# KiCad board FPGA_dev_board.kicad_pcb (continued)
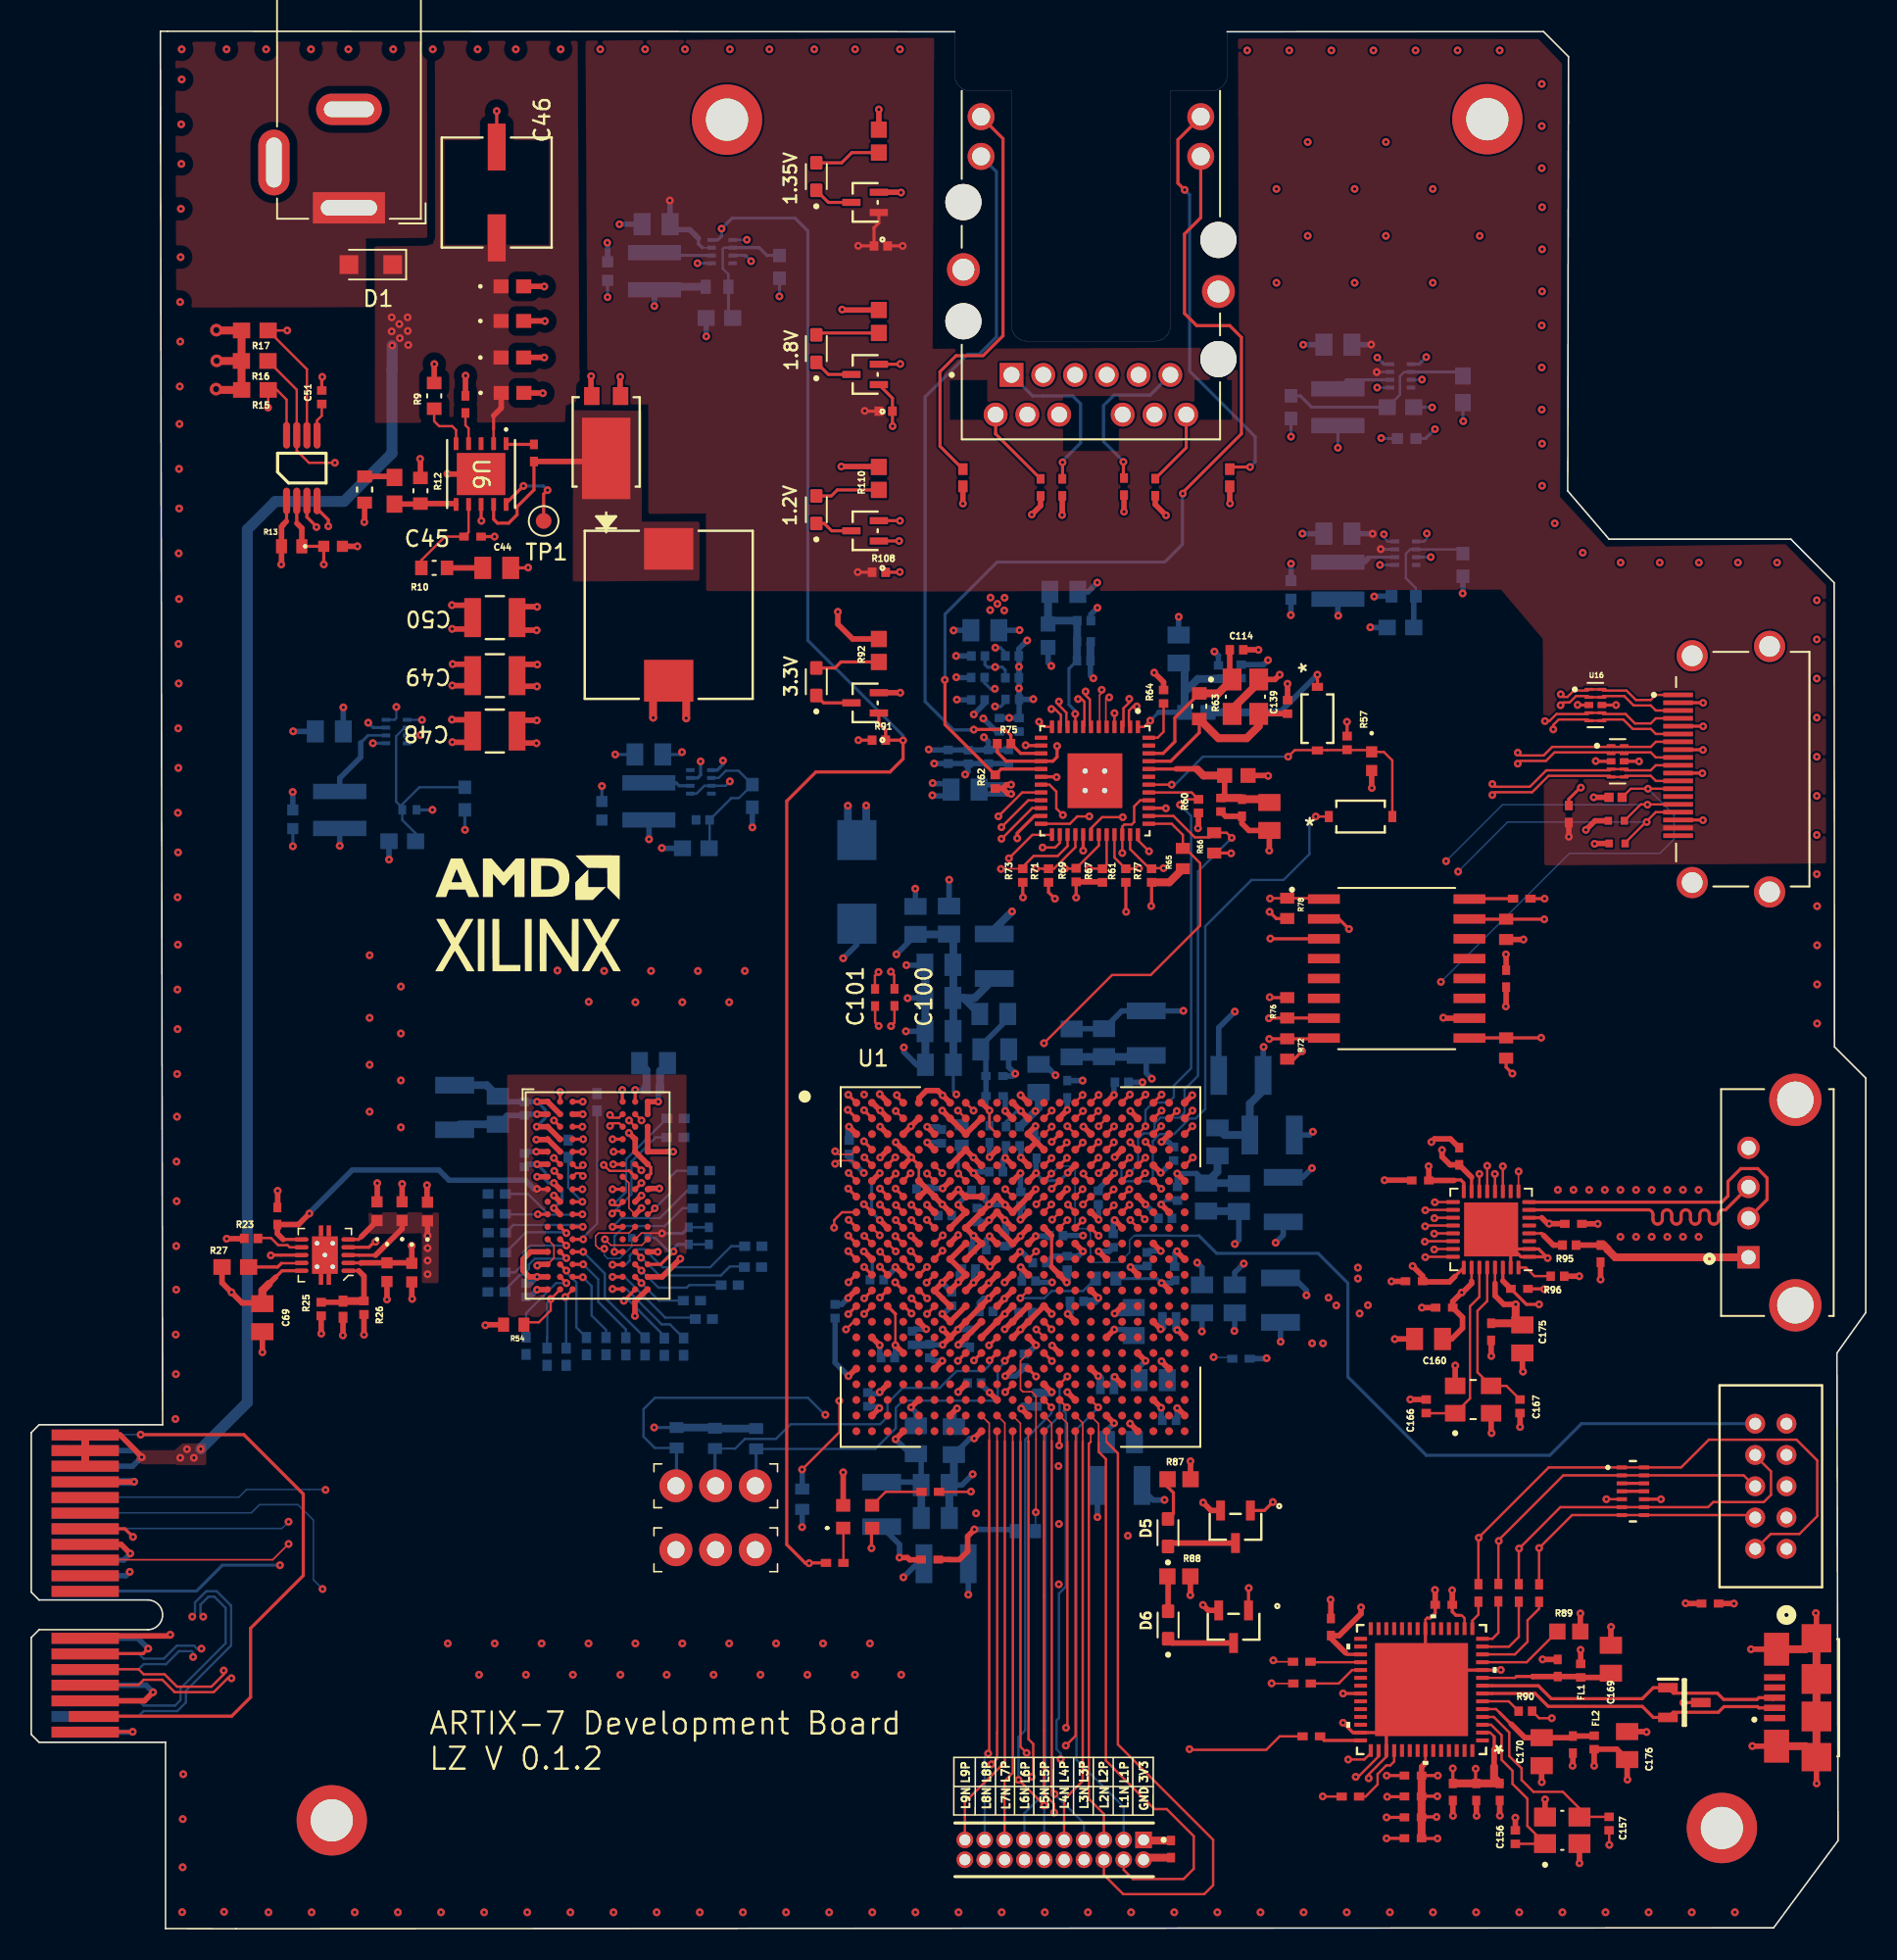
[diagram p0: board, top side]
## Routing (per net, layer and track width the routed paths; a pad name or vN(x,y) marks a point on that pad's centre or on a via; arc(x,y) is an arc through that point) (continued)
  Bottom w0.15: v1(39.03,41.28) 40.14,40.16 R33.2
DDR3_A7: length 27.9
  Top w0.15: v1(52.11,38.32) 52.6,38.81 U1.R1
  Top w0.2: U9.R2 v1(34.22,41.28)
  In2.Cu w0.1: v1(34.22,41.28) 34.27,41.28 34.86,40.69 34.86,39.95 38.91,35.9 48.64,35.9 50.29,37.55 51.34,37.55 v1(52.11,38.32)
  Bottom w0.15: R34.2 31.65,39.36 33.57,41.28 v1(34.22,41.28)
DDR3_A8: length 58.4
  Top w0.2: v1(37.9,40.15) 38.62,40.88 U9.T8 ; 56.78,40.83 v1(57.3,40.31)
  In5.Cu w0.1: v1(57.3,40.31) 57.3,40.31 57.82,39.79 57.82,37.89 57.51,37.58 arc(57.46,37.46) 57.51,37.33 57.97,36.87 arc(58.02,36.75) 57.97,36.63 arc(57.85,36.57) 57.72,36.63 57.26,37.08 arc(57.14,37.14) 57.01,37.08 arc(56.96,36.96) 57.01,36.84 58.08,35.78 arc(58.13,35.65) 58.08,35.53 arc(57.95,35.48) 57.83,35.53 56.77,36.59 arc(56.64,36.64) 56.52,36.59 56.31,36.38 55.65,36.38 arc(55.53,36.33) 55.47,36.2 55.47,35.5 arc(55.42,35.38) 55.3,35.33 arc(55.18,35.38) 55.12,35.5 55.12,36.2 arc(55.07,36.33) 54.95,36.38 arc(54.83,36.33) 54.78,36.2 54.78,35.5 arc(54.72,35.38) 54.6,35.33 arc(54.48,35.38) 54.42,35.5 54.42,36.2 arc(54.37,36.33) 54.25,36.38 54,36.38 52.67,35.05 52.67,33.49 51.16,31.98 40.57,31.98 40.57,32 40.2,32.37 arc(40.15,32.5) 40.2,32.62 40.23,32.65 arc(40.28,32.78) 40.23,32.9 arc(40.11,32.95) 39.98,32.9 39.67,32.59 arc(39.55,32.53) 39.42,32.59 arc(39.37,32.71) 39.42,32.83 39.74,33.15 arc(39.79,33.27) 39.74,33.4 arc(39.61,33.45) 39.49,33.4 39.17,33.08 arc(39.05,33.03) 38.93,33.08 arc(38.88,33.2) 38.93,33.33 39.24,33.64 arc(39.29,33.77) 39.24,33.89 arc(39.12,33.94) 38.99,33.89 38.68,33.58 arc(38.56,33.52) 38.43,33.58 arc(38.38,33.7) 38.43,33.82 38.75,34.14 arc(38.8,34.26) 38.75,34.39 arc(38.62,34.44) 38.5,34.39 38.18,34.07 arc(38.06,34.02) 37.94,34.07 arc(37.89,34.19) 37.94,34.32 38.25,34.63 arc(38.3,34.76) 38.25,34.88 arc(38.13,34.93) 38,34.88 37.97,34.85 arc(37.85,34.8) 37.72,34.85 37.44,35.13 37.44,35.44 arc(37.49,35.56) 37.61,35.62 37.66,35.62 arc(37.79,35.67) 37.84,35.79 arc(37.79,35.91) 37.66,35.97 37.22,35.97 arc(37.09,36.02) 37.04,36.14 arc(37.09,36.26) 37.22,36.31 37.66,36.31 arc(37.79,36.37) 37.84,36.49 arc(37.79,36.61) 37.66,36.66 37.22,36.66 arc(37.09,36.72) 37.04,36.84 arc(37.09,36.96) 37.22,37.01 37.66,37.01 arc(37.79,37.07) 37.84,37.19 arc(37.79,37.31) 37.66,37.37 37.22,37.37 arc(37.09,37.42) 37.04,37.54 arc(37.09,37.66) 37.22,37.72 37.66,37.72 arc(37.79,37.77) 37.84,37.89 arc(37.79,38.01) 37.66,38.06 37.22,38.06 arc(37.09,38.12) 37.04,38.24 arc(37.09,38.36) 37.22,38.41 37.66,38.41 arc(37.79,38.47) 37.84,38.59 arc(37.79,38.71) 37.66,38.76 37.61,38.76 arc(37.49,38.82) 37.44,38.94 37.44,39.69 v1(37.9,40.15)
  Bottom w0.15: R35.2 40.49,37.89 39.04,39.34 39.04,39.36 38.25,40.15 v1(37.9,40.15)
DDR3_A9: length 61
  Top w0.2: 56.77,41.78 v1(57.29,42.31) ; 34.65,41.66 v1(35.28,41.66)
  In5.Cu w0.1: v1(57.29,42.31) 60.36,42.31 60.71,41.96 60.71,39.99 61.82,38.88 61.82,35.41 60.14,33.73 60.14,33.28 59.52,32.65 58.23,32.65 arc(58.09,32.71) 58.03,32.85 58.03,33.18 arc(57.97,33.32) 57.83,33.38 arc(57.69,33.32) 57.63,33.18 57.63,32.85 arc(57.57,32.71) 57.43,32.65 arc(57.29,32.71) 57.23,32.85 57.23,33.18 arc(57.17,33.32) 57.03,33.38 arc(56.89,33.32) 56.83,33.18 56.83,32.85 arc(56.77,32.71) 56.63,32.65 55.87,32.65 55.78,32.56 arc(55.65,32.5) 55.53,32.56 55.24,32.84 arc(55.12,32.89) 55,32.84 arc(54.95,32.71) 55,32.59 55.28,32.31 arc(55.33,32.18) 55.28,32.06 arc(55.16,32.01) 55.03,32.06 54.75,32.34 arc(54.63,32.39) 54.5,32.34 arc(54.45,32.22) 54.5,32.1 54.79,31.81 arc(54.84,31.69) 54.79,31.57 arc(54.66,31.51) 54.54,31.57 54.25,31.85 arc(54.13,31.9) 54.01,31.85 arc(53.96,31.72) 54.01,31.6 54.29,31.32 arc(54.34,31.19) 54.29,31.07 53.75,30.53 38.41,30.53 34.57,34.37 34.57,40.95 v1(35.28,41.66) 35.29,41.64
  Bottom w0.15: R36.2 36.76,38.29 35.84,39.21 35.84,41.09 v1(35.28,41.66)
DDR3_A10: length 68.2
  Top w0.2: U9.L7 v1(37.17,44.88) ; 56.78,42.8 v1(56.25,43.32)
  In5.Cu w0.1: 31.79,45.28 36.46,45.28 36.86,44.88 v1(37.17,44.88) ; 31.79,45.28 31.74,45.28 ; 31.79,45.28 31.24,45.83 31.24,54.63 32.33,55.72 arc(32.36,55.79) 32.33,55.86 arc(32.3,55.93) 32.33,56 32.4,56.07 arc(32.47,56.1) 32.54,56.07 arc(32.61,56.04) 32.68,56.07 32.91,56.07 arc(33.07,56) 33.14,55.84 33.14,55.34 arc(33.2,55.18) 33.36,55.11 arc(33.52,55.18) 33.58,55.34 33.58,55.84 arc(33.65,56) 33.81,56.07 arc(33.97,56) 34.03,55.84 34.03,55.34 arc(34.1,55.18) 34.26,55.11 arc(34.42,55.18) 34.48,55.34 34.48,55.84 arc(34.55,56) 34.71,56.07 arc(34.87,56) 34.94,55.84 34.94,55.34 arc(35,55.18) 35.16,55.11 arc(35.32,55.18) 35.39,55.34 35.39,55.84 arc(35.45,56) 35.61,56.07 arc(35.77,56) 35.83,55.84 35.83,55.34 arc(35.9,55.18) 36.06,55.11 arc(36.22,55.18) 36.28,55.34 36.28,55.84 arc(36.35,56) 36.51,56.07 arc(36.67,56) 36.73,55.84 36.73,55.34 arc(36.8,55.18) 36.96,55.11 arc(37.12,55.18) 37.19,55.34 37.19,55.84 arc(37.25,56) 37.41,56.07 arc(37.57,56) 37.64,55.84 37.64,55.34 arc(37.7,55.18) 37.86,55.11 arc(38.02,55.18) 38.08,55.34 38.08,55.84 arc(38.15,56) 38.31,56.07 51.36,56.07 51.83,55.6 51.83,50.73 51.87,50.69 51.87,48.02 52.09,47.8 52.49,47.8 53.8,46.49 53.8,46.09 54.18,45.71 54.5,45.71 54.69,45.52 54.69,45.13 55.03,44.8 55.42,44.8 55.78,44.44 55.78,43.8 v1(56.25,43.32)
  Bottom w0.15: v1(37.17,44.88) 37.73,45.44 40.21,45.44 42.05,47.28 R37.2
DDR3_A11: length 64.9
  Top w0.2: 52.78,39.82 v1(52.25,39.3) ; U9.R7 v1(37.17,41.68)
  In5.Cu w0.1: v1(37.17,41.68) 37.65,41.68 38.48,42.51 38.83,42.51 38.83,42.5 39.17,42.5 39.17,42.51 39.43,42.51 39.84,42.1 39.84,41.97 arc(39.87,41.9) 39.94,41.87 39.99,41.87 arc(40.06,41.84) 40.09,41.77 arc(40.06,41.7) 39.99,41.67 39.74,41.67 arc(39.67,41.64) 39.64,41.57 arc(39.67,41.5) 39.74,41.47 39.99,41.47 arc(40.06,41.44) 40.09,41.37 arc(40.06,41.3) 39.99,41.27 39.74,41.27 arc(39.67,41.24) 39.64,41.17 arc(39.67,41.1) 39.74,41.07 39.99,41.07 arc(40.06,41.04) 40.09,40.97 arc(40.06,40.9) 39.99,40.87 39.74,40.87 arc(39.67,40.84) 39.64,40.77 arc(39.67,40.7) 39.74,40.67 39.99,40.67 arc(40.06,40.64) 40.09,40.57 arc(40.06,40.5) 39.99,40.47 39.74,40.47 arc(39.67,40.44) 39.64,40.37 arc(39.67,40.3) 39.74,40.27 40.19,40.27 arc(40.26,40.24) 40.29,40.17 arc(40.26,40.1) 40.19,40.07 39.74,40.07 arc(39.67,40.04) 39.64,39.97 arc(39.67,39.9) 39.74,39.87 39.92,39.87 arc(39.97,39.85) 39.99,39.79 39.99,39.75 arc(39.97,39.69) 39.92,39.67 39.74,39.67 arc(39.67,39.64) 39.64,39.57 arc(39.67,39.5) 39.74,39.47 39.94,39.47 arc(40.01,39.44) 40.04,39.37 arc(40.01,39.3) 39.94,39.27 39.74,39.27 arc(39.67,39.24) 39.64,39.17 arc(39.67,39.1) 39.74,39.07 arc(39.81,39.04) 39.84,38.97 39.84,38.74 40.02,38.56 arc(40.09,38.53) 40.16,38.56 40.33,38.74 arc(40.41,38.77) 40.48,38.74 arc(40.51,38.67) 40.48,38.6 39.98,38.1 arc(39.95,38.03) 39.98,37.96 arc(40.05,37.93) 40.12,37.96 40.62,38.46 arc(40.69,38.49) 40.76,38.46 arc(40.79,38.39) 40.76,38.32 40.26,37.82 arc(40.23,37.75) 40.26,37.68 arc(40.33,37.65) 40.41,37.68 40.9,38.17 arc(40.97,38.2) 41.04,38.17 arc(41.07,38.1) 41.04,38.03 40.55,37.54 arc(40.52,37.47) 40.55,37.4 arc(40.62,37.37) 40.69,37.4 41.18,37.89 arc(41.25,37.92) 41.32,37.89 arc(41.35,37.82) 41.32,37.75 40.83,37.26 arc(40.8,37.18) 40.83,37.11 arc(40.9,37.08) 40.97,37.11 41.47,37.61 arc(41.54,37.64) 41.61,37.61 arc(41.64,37.54) 41.61,37.47 41.11,36.97 arc(41.08,36.9) 41.11,36.83 arc(41.18,36.8) 41.25,36.83 41.75,37.33 arc(41.82,37.36) 41.89,37.33 arc(41.92,37.26) 41.89,37.18 41.71,37.01 arc(41.68,36.94) 41.71,36.87 41.81,36.77 42.06,36.77 arc(42.13,36.8) 42.16,36.87 42.16,36.97 arc(42.19,37.04) 42.26,37.07 arc(42.33,37.04) 42.36,36.97 42.36,36.67 arc(42.39,36.6) 42.46,36.57 arc(42.53,36.6) 42.56,36.67 42.56,37.12 arc(42.59,37.19) 42.66,37.22 arc(42.73,37.19) 42.76,37.12 42.76,36.67 arc(42.79,36.6) 42.86,36.57 arc(42.93,36.6) 42.96,36.67 42.96,37.12 arc(42.99,37.19) 43.06,37.22 arc(43.13,37.19) 43.16,37.12 43.16,36.67 arc(43.19,36.6) 43.26,36.57 arc(43.33,36.6) 43.36,36.67 43.36,37.07 arc(43.39,37.14) 43.46,37.17 arc(43.53,37.14) 43.56,37.07 43.56,36.67 arc(43.59,36.6) 43.66,36.57 arc(43.73,36.6) 43.76,36.67 43.76,37.07 arc(43.79,37.14) 43.86,37.17 arc(43.93,37.14) 43.96,37.07 43.96,36.67 arc(43.99,36.6) 44.06,36.57 arc(44.13,36.6) 44.16,36.67 44.16,37.02 arc(44.19,37.09) 44.26,37.12 arc(44.33,37.09) 44.36,37.02 44.36,36.67 arc(44.39,36.6) 44.46,36.57 arc(44.53,36.6) 44.56,36.67 44.56,37.07 arc(44.59,37.14) 44.66,37.17 arc(44.73,37.14) 44.76,37.07 44.76,36.67 arc(44.79,36.6) 44.86,36.57 arc(44.93,36.6) 44.96,36.67 44.96,37.07 arc(44.99,37.14) 45.06,37.17 arc(45.13,37.14) 45.16,37.07 45.16,36.67 arc(45.19,36.6) 45.26,36.57 arc(45.33,36.6) 45.36,36.67 45.36,37.02 arc(45.39,37.09) 45.46,37.12 arc(45.53,37.09) 45.56,37.02 45.56,36.67 arc(45.59,36.6) 45.66,36.57 arc(45.73,36.6) 45.76,36.67 45.76,37.07 arc(45.79,37.14) 45.86,37.17 arc(45.93,37.14) 45.96,37.07 45.96,36.67 arc(45.99,36.6) 46.06,36.57 arc(46.13,36.6) 46.16,36.67 46.16,37.07 arc(46.19,37.14) 46.26,37.17 arc(46.33,37.14) 46.36,37.07 46.36,36.67 arc(46.39,36.6) 46.46,36.57 arc(46.53,36.6) 46.56,36.67 46.56,37.02 arc(46.59,37.09) 46.66,37.12 arc(46.73,37.09) 46.76,37.02 46.76,36.67 arc(46.79,36.6) 46.86,36.57 arc(46.93,36.6) 46.96,36.67 46.96,37.07 arc(46.99,37.14) 47.06,37.17 arc(47.13,37.14) 47.16,37.07 47.16,36.67 arc(47.19,36.6) 47.26,36.57 arc(47.33,36.6) 47.36,36.67 47.36,37.07 arc(47.39,37.14) 47.46,37.17 arc(47.53,37.14) 47.56,37.07 47.56,36.67 arc(47.59,36.6) 47.66,36.57 arc(47.73,36.6) 47.76,36.67 47.76,37.02 arc(47.79,37.09) 47.86,37.12 arc(47.93,37.09) 47.96,37.02 47.96,36.67 arc(47.99,36.6) 48.06,36.57 arc(48.13,36.6) 48.16,36.67 48.16,37.07 arc(48.19,37.14) 48.26,37.17 arc(48.33,37.14) 48.36,37.07 48.36,36.67 arc(48.39,36.6) 48.46,36.57 arc(48.53,36.6) 48.56,36.67 48.56,37.07 arc(48.59,37.14) 48.66,37.17 arc(48.73,37.14) 48.76,37.07 48.76,36.67 arc(48.79,36.6) 48.86,36.57 arc(48.93,36.6) 48.96,36.67 48.96,37.02 arc(48.99,37.09) 49.06,37.12 arc(49.13,37.09) 49.16,37.02 49.16,36.67 arc(49.19,36.6) 49.26,36.57 arc(49.33,36.6) 49.36,36.67 49.36,37.07 arc(49.39,37.14) 49.46,37.17 arc(49.53,37.14) 49.56,37.07 49.56,36.87 arc(49.59,36.8) 49.66,36.77 49.92,36.77 50.1,36.95 arc(50.13,37.02) 50.1,37.09 49.99,37.19 arc(49.96,37.26) 49.99,37.34 arc(50.06,37.36) 50.13,37.34 50.56,36.91 arc(50.63,36.88) 50.7,36.91 arc(50.73,36.98) 50.7,37.05 50.2,37.55 arc(50.17,37.62) 50.2,37.69 arc(50.27,37.72) 50.34,37.69 50.84,37.19 arc(50.91,37.16) 50.98,37.19 arc(51.01,37.26) 50.98,37.34 50.59,37.72 arc(50.56,37.8) 50.59,37.87 arc(50.66,37.9) 50.73,37.87 50.8,37.8 arc(50.87,37.77) 50.95,37.8 52.25,39.1 v1(52.25,39.3)
  Bottom w0.15: v1(37.17,41.68) 37.94,41.68 40.55,39.07 42.38,39.07 R38.2
DDR3_A12: length 61.2
  Top w0.2: U9.N7 v1(37.3,43.28) ; 52.79,41.86 v1(52.27,41.34)
  In5.Cu w0.1: v1(37.3,43.28) 37.87,43.28 38.61,44.02 41.39,44.02 41.5,43.91 arc(41.57,43.88) 41.65,43.92 41.65,43.91 arc(41.72,43.95) 41.8,43.91 41.91,43.81 arc(41.94,43.73) 41.91,43.66 41.72,43.47 arc(41.67,43.35) 41.72,43.24 41.74,43.22 arc(41.85,43.17) 41.97,43.22 42.22,43.47 arc(42.34,43.53) 42.47,43.47 arc(42.52,43.35) 42.47,43.23 41.83,42.59 arc(41.78,42.46) 41.83,42.34 arc(41.95,42.29) 42.08,42.34 43.39,43.65 arc(43.51,43.7) 43.63,43.65 arc(43.69,43.53) 43.63,43.4 42.29,42.06 arc(42.24,41.93) 42.29,41.81 arc(42.41,41.76) 42.54,41.81 44.13,43.4 arc(44.25,43.45) 44.38,43.4 arc(44.43,43.28) 44.38,43.16 42.82,41.6 arc(42.77,41.47) 42.82,41.35 arc(42.94,41.3) 43.07,41.35 44.62,42.91 arc(44.75,42.96) 44.87,42.91 arc(44.92,42.78) 44.87,42.66 43.31,41.1 arc(43.26,40.98) 43.31,40.86 arc(43.44,40.8) 43.56,40.86 43.93,41.23 arc(44.06,41.28) 44.18,41.23 44.52,40.89 arc(44.64,40.84) 44.69,40.72 44.69,40.39 arc(44.75,40.27) 44.87,40.21 arc(44.99,40.27) 45.05,40.39 45.05,42.09 arc(45.1,42.21) 45.22,42.27 arc(45.34,42.21) 45.39,42.09 45.39,40.34 arc(45.45,40.22) 45.57,40.16 arc(45.69,40.22) 45.75,40.34 45.75,42.39 arc(45.8,42.51) 45.92,42.57 arc(46.04,42.51) 46.09,42.39 46.09,40.34 arc(46.15,40.22) 46.27,40.16 arc(46.39,40.22) 46.44,40.34 46.44,42.39 arc(46.5,42.51) 46.62,42.57 arc(46.74,42.51) 46.8,42.39 46.8,40.29 arc(46.85,40.17) 46.97,40.11 arc(47.09,40.17) 47.14,40.29 47.14,41.84 arc(47.2,41.96) 47.32,42.02 arc(47.44,41.96) 47.5,41.84 47.5,40.34 arc(47.55,40.22) 47.67,40.16 arc(47.79,40.22) 47.84,40.34 47.84,41.19 arc(47.9,41.31) 48.02,41.37 arc(48.14,41.31) 48.19,41.19 48.19,40.29 arc(48.25,40.17) 48.37,40.11 arc(48.49,40.17) 48.55,40.29 48.55,40.72 arc(48.6,40.84) 48.72,40.89 49.69,40.89 50.14,41.34 52.26,41.34 v1(52.27,41.34)
  Bottom w0.15: v1(37.3,43.28) 37.3,44.28 37.95,44.93 40.52,44.93 41.66,46.07 R39.2
DDR3_A13: length 60
  Top w0.15: U9.T3 34.63,40.88 ; 34.63,40.87 v1(34.15,40.39)
  Top w0.2: 53.79,41.78 v1(53.27,42.31)
  In5.Cu w0.1: 34.18,40.36 v1(34.15,40.39) 34.15,34.27 38.19,30.23 54.88,30.23 57.1,32.45 60.02,32.45 61.69,34.12 61.69,34.32 62.3,34.94 62.46,34.94 62.69,35.17 62.69,41.68 61.53,42.84 53.8,42.84 v1(53.27,42.31)
  Bottom w0.15: R40.2 34.21,40.33 v1(34.15,40.39) 34.23,40.31
DDR3_A14: length 60.5
  Top w0.2: 37.83,40.91 v1(37.17,40.91) ; 57.82,39.84 v1(57.29,39.31)
  In5.Cu w0.1: v1(57.29,39.31) 57.29,39.07 56.66,38.44 56.66,37.7 55.65,36.69 52.89,36.69 51.69,35.49 51.69,34.72 50.24,33.27 49.55,33.27 arc(49.41,33.21) 49.35,33.07 49.35,32.62 arc(49.29,32.48) 49.15,32.42 arc(49.01,32.48) 48.95,32.62 48.95,33.42 arc(48.91,33.52) 48.8,33.57 48.7,33.57 arc(48.59,33.52) 48.55,33.42 48.55,32.62 arc(48.49,32.48) 48.35,32.42 arc(48.21,32.48) 48.15,32.62 48.15,33.42 arc(48.11,33.52) 48,33.57 47.9,33.57 arc(47.79,33.52) 47.75,33.42 47.75,32.62 arc(47.69,32.48) 47.55,32.42 arc(47.41,32.48) 47.35,32.62 47.35,33.44 arc(47.3,33.57) 47.18,33.62 47.12,33.62 arc(47,33.57) 46.95,33.44 46.95,32.62 arc(46.89,32.48) 46.75,32.42 arc(46.61,32.48) 46.55,32.62 46.55,33.42 arc(46.51,33.52) 46.4,33.57 46.3,33.57 arc(46.19,33.52) 46.15,33.42 46.15,32.62 arc(46.09,32.48) 45.95,32.42 arc(45.81,32.48) 45.75,32.62 45.75,33.42 arc(45.71,33.52) 45.6,33.57 45.5,33.57 arc(45.39,33.52) 45.35,33.42 45.35,32.62 arc(45.29,32.48) 45.15,32.42 arc(45.01,32.48) 44.95,32.62 44.95,33.44 arc(44.9,33.57) 44.78,33.62 44.72,33.62 arc(44.6,33.57) 44.55,33.44 44.55,32.62 arc(44.49,32.48) 44.35,32.42 arc(44.21,32.48) 44.15,32.62 44.15,33.42 arc(44.11,33.52) 44,33.57 43.9,33.57 arc(43.79,33.52) 43.75,33.42 43.75,32.62 arc(43.69,32.48) 43.55,32.42 arc(43.41,32.48) 43.35,32.62 43.35,33.42 arc(43.31,33.52) 43.2,33.57 43.1,33.57 arc(42.99,33.52) 42.95,33.42 42.95,32.62 arc(42.89,32.48) 42.75,32.42 arc(42.61,32.48) 42.55,32.62 42.55,33.44 arc(42.5,33.57) 42.38,33.62 42.32,33.62 arc(42.2,33.57) 42.15,33.44 42.15,32.62 arc(42.09,32.48) 41.95,32.42 arc(41.81,32.48) 41.75,32.62 41.75,33.42 arc(41.71,33.52) 41.6,33.57 41.5,33.57 arc(41.39,33.52) 41.35,33.42 41.35,32.62 arc(41.29,32.48) 41.15,32.42 arc(41.01,32.48) 40.95,32.62 40.95,33.92 arc(40.89,34.06) 40.75,34.12 arc(40.61,34.06) 40.55,33.92 40.55,33.47 arc(40.49,33.33) 40.35,33.27 38.17,35.45 38.17,39.85 38.5,40.18 38.5,40.56 38.16,40.91 v1(37.17,40.91)
  Bottom w0.15: v1(37.17,40.91) 38.05,40.91 40.32,38.64 40.85,38.64 R41.2
DDR3_BA0: length 64.7
  Top w0.2: 57.8,44.8 v1(57.28,45.32) ; U9.M2 v1(34.22,43.68)
  In5.Cu w0.1: 55.98,47.75 55.74,47.99 55.74,48.54 55.47,48.81 54.03,48.81 53.7,49.14 53.7,55.19 51.92,56.97 32,56.97 29.71,54.68 29.71,54.49 arc(29.8,54.28) 30.01,54.19 30.1,54.19 arc(30.31,54.1) 30.4,53.89 arc(30.31,53.68) 30.1,53.59 30.01,53.59 arc(29.8,53.5) 29.71,53.29 arc(29.8,53.08) 30.01,52.99 30.1,52.99 arc(30.31,52.9) 30.4,52.69 arc(30.31,52.48) 30.1,52.39 30.01,52.39 arc(29.8,52.3) 29.71,52.09 arc(29.8,51.88) 30.01,51.79 30.1,51.79 arc(30.31,51.7) 30.4,51.49 arc(30.31,51.28) 30.1,51.19 30.01,51.19 arc(29.8,51.1) 29.71,50.89 arc(29.8,50.68) 30.01,50.59 30.1,50.59 arc(30.31,50.5) 30.4,50.29 arc(30.31,50.08) 30.1,49.99 30.01,49.99 arc(29.8,49.9) 29.71,49.69 arc(29.8,49.48) 30.01,49.39 30.1,49.39 arc(30.31,49.3) 30.4,49.09 arc(30.31,48.88) 30.1,48.79 30.01,48.79 arc(29.8,48.7) 29.71,48.49 arc(29.8,48.28) 30.01,48.19 30.1,48.19 arc(30.31,48.1) 30.4,47.89 arc(30.31,47.68) 30.1,47.59 30.01,47.59 arc(29.8,47.5) 29.71,47.29 arc(29.8,47.08) 30.01,46.99 30.1,46.99 arc(30.31,46.9) 30.4,46.69 arc(30.31,46.48) 30.1,46.39 30.01,46.39 arc(29.8,46.3) 29.71,46.09 29.71,45.67 31.7,43.68 v1(34.22,43.68) ; 55.98,47.75 56.78,46.95 56.76,46.93 56.76,45.85 56.89,45.72 56.89,45.71 v1(57.28,45.32) ; 55.98,47.75 55.94,47.79
  Bottom w0.15: v1(34.22,43.68) 31.91,43.68 31.49,43.26 31.49,42.52 30.94,41.97 R42.2
DDR3_BA1: length 61.8
  Top w0.2: v1(54.28,40.35) 54.29,40.35 54.79,40.86 ; 38.6,43.31 v1(39,42.91)
  In5.Cu w0.1: v1(39,42.91) 39.84,42.91 40.3,42.45 40.3,40.64 40.4,40.54 arc(40.51,40.5) 40.61,40.54 40.79,40.72 arc(40.89,40.76) 41,40.72 arc(41.04,40.61) 41,40.5 40.22,39.73 arc(40.18,39.62) 40.22,39.52 arc(40.33,39.47) 40.44,39.52 41.21,40.29 arc(41.32,40.34) 41.42,40.29 arc(41.47,40.19) 41.42,40.08 40.65,39.3 arc(40.6,39.2) 40.65,39.09 arc(40.75,39.05) 40.86,39.09 41.64,39.87 arc(41.74,39.91) 41.85,39.87 arc(41.89,39.76) 41.85,39.66 41.07,38.88 arc(41.03,38.77) 41.07,38.67 arc(41.18,38.62) 41.28,38.67 42.06,39.44 arc(42.17,39.49) 42.27,39.44 arc(42.32,39.34) 42.27,39.23 41.5,38.45 arc(41.45,38.35) 41.5,38.24 arc(41.6,38.2) 41.71,38.24 42.49,39.02 arc(42.59,39.06) 42.7,39.02 arc(42.74,38.91) 42.7,38.81 41.92,38.03 arc(41.88,37.92) 41.92,37.82 arc(42.03,37.77) 42.13,37.82 42.52,38.21 arc(42.63,38.25) 42.73,38.21 43.01,37.93 43.36,37.93 arc(43.47,37.89) 43.51,37.78 43.51,37.48 arc(43.55,37.37) 43.66,37.33 arc(43.77,37.37) 43.81,37.48 43.81,38.83 arc(43.85,38.94) 43.96,38.98 arc(44.07,38.94) 44.11,38.83 44.11,37.48 arc(44.15,37.37) 44.26,37.33 arc(44.37,37.37) 44.41,37.48 44.41,38.28 arc(44.45,38.39) 44.56,38.43 arc(44.67,38.39) 44.71,38.28 44.71,37.48 arc(44.75,37.37) 44.86,37.33 arc(44.97,37.37) 45.01,37.48 45.01,38.28 arc(45.05,38.39) 45.16,38.43 arc(45.27,38.39) 45.31,38.28 45.31,37.48 arc(45.35,37.37) 45.46,37.33 arc(45.57,37.37) 45.61,37.48 45.61,38.28 arc(45.65,38.39) 45.76,38.43 arc(45.87,38.39) 45.91,38.28 45.91,37.48 arc(45.95,37.37) 46.06,37.33 arc(46.17,37.37) 46.21,37.48 46.21,38.28 arc(46.25,38.39) 46.36,38.43 arc(46.47,38.39) 46.51,38.28 46.51,37.48 arc(46.55,37.37) 46.66,37.33 arc(46.77,37.37) 46.81,37.48 46.81,38.28 arc(46.85,38.39) 46.96,38.43 arc(47.07,38.39) 47.11,38.28 47.11,37.48 arc(47.15,37.37) 47.26,37.33 arc(47.37,37.37) 47.41,37.48 47.41,38.28 arc(47.45,38.39) 47.56,38.43 arc(47.67,38.39) 47.71,38.28 47.71,37.48 arc(47.75,37.37) 47.86,37.33 arc(47.97,37.37) 48.01,37.48 48.01,38.28 arc(48.05,38.39) 48.16,38.43 arc(48.27,38.39) 48.31,38.28 48.31,37.48 arc(48.35,37.37) 48.46,37.33 arc(48.57,37.37) 48.61,37.48 48.61,38.28 arc(48.65,38.39) 48.76,38.43 arc(48.87,38.39) 48.91,38.28 48.91,37.48 arc(48.95,37.37) 49.06,37.33 arc(49.17,37.37) 49.21,37.48 49.21,38.28 arc(49.25,38.39) 49.36,38.43 arc(49.47,38.39) 49.51,38.28 49.51,37.48 arc(49.55,37.37) 49.66,37.33 arc(49.77,37.37) 49.81,37.48 49.81,37.78 arc(49.85,37.89) 49.96,37.93 50.32,37.93 52.25,39.86 53.78,39.86 v1(54.28,40.35)
  Bottom w0.15: 45.36,42.27 45.29,42.34 44.68,42.34 44.11,41.77 40.17,41.77 39.03,42.91 v1(39,42.91)
DDR3_BA2: length 63.3
  Top w0.2: 54.8,41.79 v1(54.28,42.32) ; 34.67,44.08 v1(35.3,44.08)
  In5.Cu w0.1: v1(35.3,44.08) 36.48,42.9 36.48,39.37 arc(36.53,39.24) 36.66,39.19 arc(36.8,39.13) 36.85,39 36.85,38.95 arc(36.8,38.82) 36.66,38.77 36.29,38.77 arc(36.16,38.72) 36.11,38.58 36.11,38.56 arc(36.16,38.42) 36.29,38.37 36.64,38.37 arc(36.76,38.32) 36.8,38.21 36.8,38.13 arc(36.76,38.02) 36.64,37.97 36.29,37.97 arc(36.16,37.92) 36.11,37.78 36.11,37.76 arc(36.16,37.62) 36.29,37.57 36.64,37.57 arc(36.76,37.52) 36.8,37.41 36.8,37.33 arc(36.76,37.22) 36.64,37.17 36.29,37.17 arc(36.16,37.12) 36.11,36.98 36.11,36.96 arc(36.16,36.82) 36.29,36.77 36.67,36.77 arc(36.8,36.72) 36.85,36.58 36.85,36.56 arc(36.8,36.42) 36.67,36.37 36.29,36.37 arc(36.16,36.32) 36.11,36.18 36.11,36.16 arc(36.16,36.02) 36.29,35.97 36.67,35.97 arc(36.8,35.92) 36.85,35.78 36.85,35.76 arc(36.8,35.62) 36.67,35.57 36.3,35.57 arc(36.16,35.52) 36.11,35.39 36.11,35.35 arc(36.16,35.22) 36.3,35.17 arc(36.43,35.12) 36.48,34.99 36.48,34.7 36.8,34.38 arc(36.93,34.33) 37.06,34.38 arc(37.19,34.44) 37.32,34.38 37.35,34.35 arc(37.41,34.22) 37.35,34.09 37.09,33.83 arc(37.04,33.69) 37.09,33.56 37.11,33.54 arc(37.24,33.49) 37.37,33.54 37.64,33.81 arc(37.77,33.86) 37.9,33.81 37.92,33.79 arc(37.97,33.66) 37.92,33.52 37.66,33.26 arc(37.6,33.13) 37.66,33 37.68,32.98 arc(37.81,32.92) 37.94,32.98 arc(38.07,33.03) 38.2,32.98 39.65,31.53 51.87,31.53 52.99,32.65 52.99,34.36 53.71,35.08 57.97,35.08 58.78,35.89 58.78,39.56 57.5,40.84 56.88,40.84 55.9,41.82 54.78,41.82 v1(54.28,42.32)
  Bottom w0.15: R44.2 36.19,45.08 35.3,44.19 v1(35.3,44.08)
DDR3_CAS: length 60.2
  Top w0.15: U1.K3 54.79,43.81 v1(55.29,43.31)
  Top w0.2: U9.K3 v1(35.25,45.68)
  In5.Cu w0.1: v1(35.25,45.68) 35.24,45.67 34.85,45.67 34.41,46.11 34.41,47.23 34.86,47.68 37.59,47.68 38.86,48.95 38.86,50.34 40.63,52.11 40.86,52.11 arc(40.98,52.06) 41.03,51.94 41.03,51.4 arc(41.09,51.28) 41.21,51.22 arc(41.33,51.28) 41.39,51.4 41.39,52.37 arc(41.44,52.49) 41.56,52.55 arc(41.68,52.49) 41.73,52.37 41.73,51.4 arc(41.79,51.28) 41.91,51.22 arc(42.03,51.28) 42.08,51.4 42.08,52.37 arc(42.14,52.49) 42.26,52.55 arc(42.38,52.49) 42.44,52.37 42.44,51.4 arc(42.49,51.28) 42.61,51.22 arc(42.73,51.28) 42.78,51.4 42.78,52.37 arc(42.84,52.49) 42.96,52.55 arc(43.08,52.49) 43.14,52.37 43.14,51.4 arc(43.19,51.28) 43.31,51.22 arc(43.43,51.28) 43.48,51.4 43.48,52.37 arc(43.54,52.49) 43.66,52.55 arc(43.78,52.49) 43.83,52.37 43.83,51.4 arc(43.89,51.28) 44.01,51.22 arc(44.13,51.28) 44.19,51.4 44.19,52.37 arc(44.24,52.49) 44.36,52.55 arc(44.48,52.49) 44.53,52.37 44.53,51.4 arc(44.59,51.28) 44.71,51.22 arc(44.83,51.28) 44.89,51.4 44.89,52.37 arc(44.94,52.49) 45.06,52.55 arc(45.18,52.49) 45.23,52.37 45.23,51.4 arc(45.29,51.28) 45.41,51.22 arc(45.53,51.28) 45.58,51.4 45.58,52.37 arc(45.64,52.49) 45.76,52.55 arc(45.88,52.49) 45.94,52.37 45.94,51.4 arc(45.99,51.28) 46.11,51.22 arc(46.23,51.28) 46.28,51.4 46.28,52.37 arc(46.34,52.49) 46.46,52.55 arc(46.58,52.49) 46.64,52.37 46.64,51.4 arc(46.69,51.28) 46.81,51.22 arc(46.93,51.28) 46.98,51.4 46.98,52.37 arc(47.04,52.49) 47.16,52.55 arc(47.28,52.49) 47.33,52.37 47.33,51.4 arc(47.39,51.28) 47.51,51.22 arc(47.63,51.28) 47.69,51.4 47.69,51.94 arc(47.74,52.06) 47.86,52.11 48.12,52.11 48.72,51.51 48.72,49.82 53.79,44.75 53.79,44.23 54.15,43.87 54.73,43.87 v1(55.29,43.31)
  Bottom w0.15: v1(35.25,45.68) 35.22,45.66 33.09,45.66 31.77,46.98 R51.2
DDR3_CK_N: length 61.4
  Top w0.15: U9.K7 37.6,45.91 37.33,45.91 v1(37.15,45.73)
  Top w0.2: 55.81,39.82 v1(56.3,39.33)
  In5.Cu w0.1: v1(56.3,39.33) 56.01,39.62 55.81,39.62 54.03,41.4 52.88,41.4 52.44,41.84 50.13,41.84 49.53,42.44 arc(49.41,42.49) 49.28,42.44 48.63,41.79 arc(48.23,41.62) 47.82,41.79 arc(47.65,42.19) 47.82,42.6 49.26,44.04 arc(49.31,44.17) 49.26,44.29 arc(49.14,44.34) 49.01,44.29 47.57,42.85 arc(47.17,42.68) 46.76,42.85 arc(46.59,43.25) 46.76,43.66 48.17,45.07 arc(48.22,45.19) 48.17,45.31 arc(48.04,45.37) 47.92,45.31 46.48,43.87 arc(46.07,43.7) 45.66,43.87 arc(45.49,44.28) 45.66,44.69 46.35,45.37 arc(46.4,45.49) 46.35,45.62 46.23,45.74 45.76,45.74 arc(45.34,45.92) 45.16,46.34 45.16,47.54 arc(45.1,47.68) 44.96,47.74 arc(44.82,47.68) 44.76,47.54 44.76,44.34 arc(44.59,43.92) 44.16,43.74 arc(43.74,43.92) 43.56,44.34 43.56,47.54 arc(43.5,47.68) 43.36,47.74 arc(43.22,47.68) 43.16,47.54 43.16,44.34 arc(42.99,43.92) 42.56,43.74 arc(42.14,43.92) 41.96,44.34 41.96,47.54 arc(41.9,47.68) 41.76,47.74 arc(41.62,47.68) 41.56,47.54 41.56,46.34 arc(41.39,45.92) 40.96,45.74 40.15,44.92 38.67,44.92 37.72,45.88 37.3,45.88 v1(37.15,45.73)
  Bottom w0.15: R46.2 39.94,50.6 38.39,49.05 38.39,46.97 v1(37.15,45.73)
DDR3_CK_P: length 61.6
  Top w0.15: v1(37.15,46.43) 37.33,46.25 37.6,46.25 U9.J7
  Top w0.2: 56.83,39.78 v1(56.3,40.31)
  In5.Cu w0.1: v1(56.3,40.31) 56.01,40.02 55.97,40.02 54.19,41.8 53.05,41.8 52.61,42.24 50.29,42.24 49.81,42.72 arc(49.41,42.89) 49,42.72 48.35,42.07 arc(48.23,42.02) 48.1,42.07 arc(48.05,42.19) 48.1,42.32 49.54,43.76 arc(49.71,44.17) 49.54,44.57 arc(49.14,44.74) 48.73,44.57 47.29,43.13 arc(47.17,43.08) 47.04,43.13 arc(46.99,43.25) 47.04,43.38 48.45,44.78 arc(48.62,45.19) 48.45,45.6 arc(48.04,45.77) 47.64,45.6 46.19,44.15 arc(46.07,44.1) 45.95,44.15 arc(45.89,44.28) 45.95,44.4 46.63,45.09 arc(46.8,45.49) 46.63,45.9 46.39,46.14 45.76,46.14 arc(45.62,46.2) 45.56,46.34 45.56,47.54 arc(45.39,47.96) 44.96,48.14 arc(44.54,47.96) 44.36,47.54 44.36,44.34 arc(44.3,44.2) 44.16,44.14 arc(44.02,44.2) 43.96,44.34 43.96,47.54 arc(43.79,47.96) 43.36,48.14 arc(42.94,47.96) 42.76,47.54 42.76,44.34 arc(42.7,44.2) 42.56,44.14 arc(42.42,44.2) 42.36,44.34 42.36,47.54 arc(42.19,47.96) 41.76,48.14 arc(41.34,47.96) 41.16,47.54 41.16,46.34 arc(41.1,46.2) 40.96,46.14 40.8,46.14 39.98,45.32 38.84,45.32 37.88,46.28 37.3,46.28 v1(37.15,46.43)
  Bottom w0.15: R45.2 38.05,49.19 38.05,47.12 37.36,46.43 v1(37.15,46.43)
